# Altium PCB Roll_Min_R01.PcbDoc (part 1 of 2) (continued)
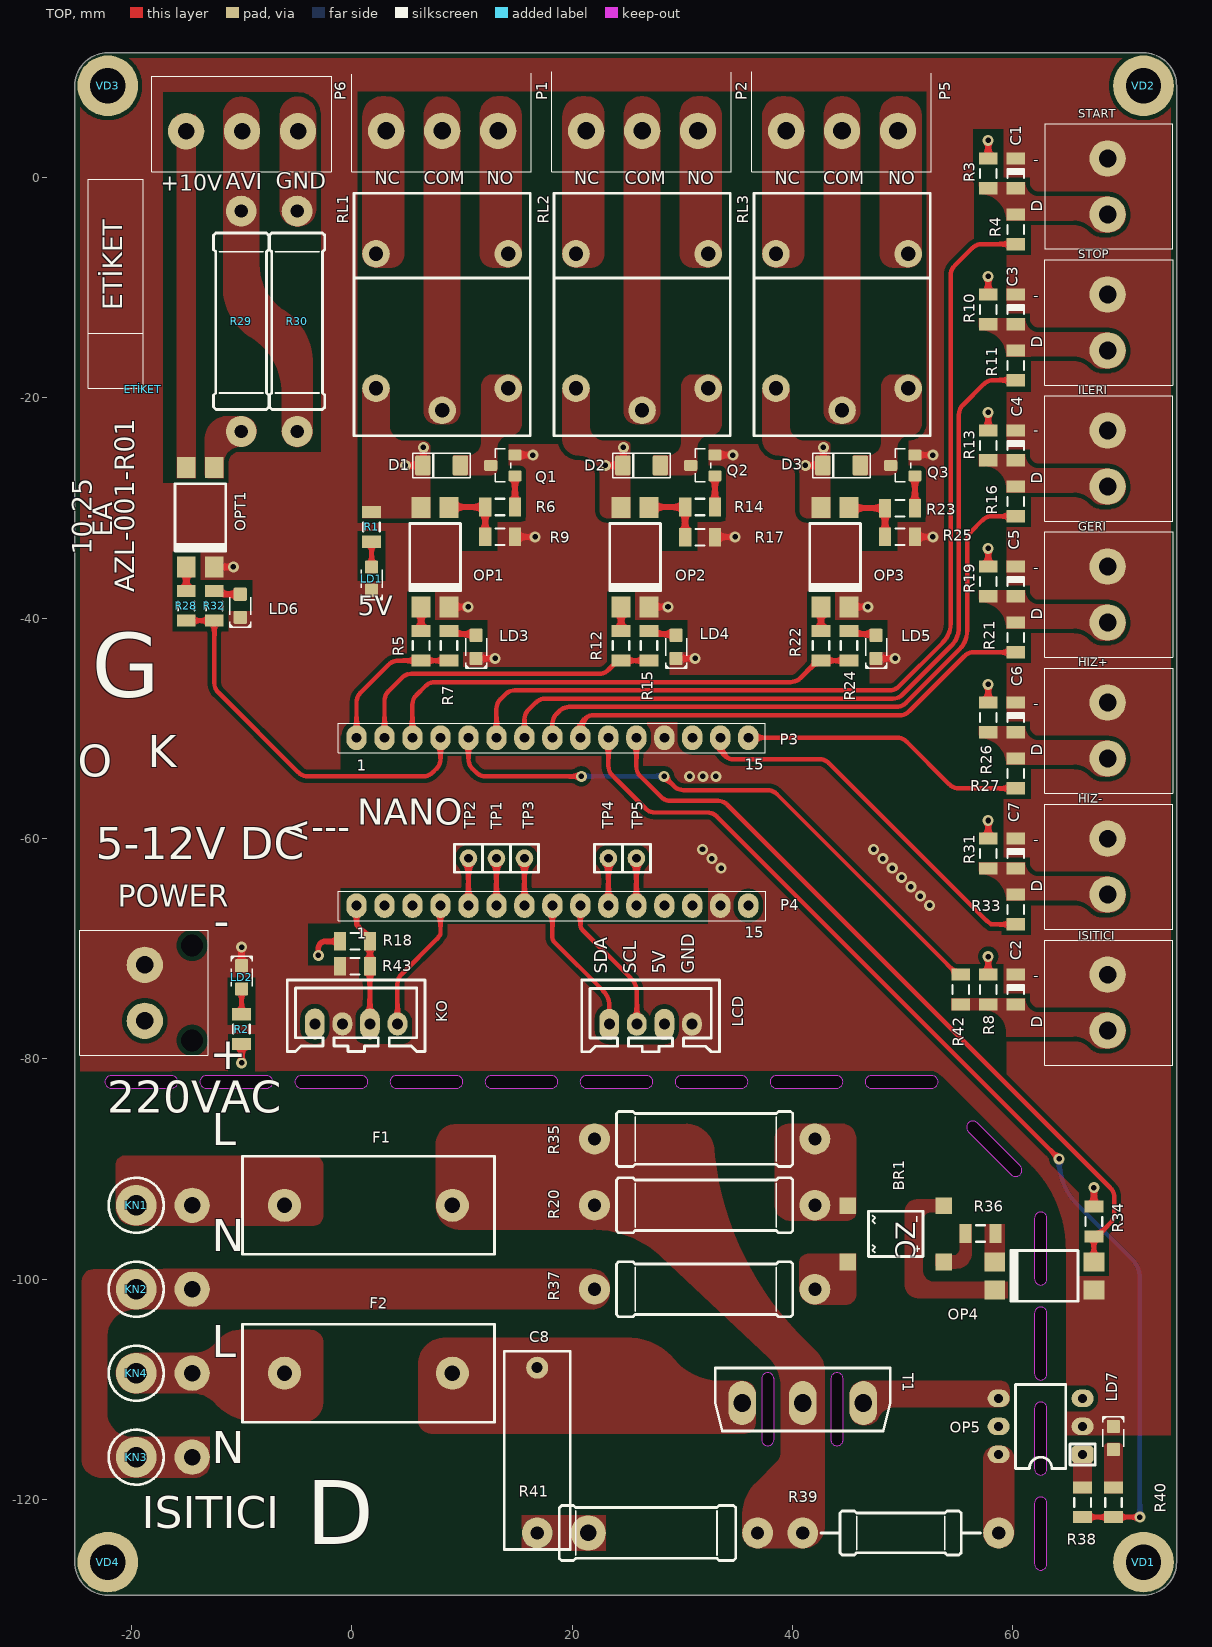
[diagram p0: TOP view]
## Nets (pads, with @x,y where several pads share a name; then routed paths per layer and width w, separated by ;. In a path a pad name is that pad's centre, name@x,y a point inside that pad or via, vN(x,y) a via of type N, cw(c..) or ccw(c..) an arc to the next point about the centre after c; other vN are vias at no path point)
+3v3: P4.2
+5v: D1.1 D2.1 D3.1 KO.1 LCD.3 OP1.4 OP2.4 OP3.4 P4.12 R1.2 R3.2 R8.2 R10.2 R13.2 R18.1 R19.2 R26.2 R31.2 R34.1 RL1.5 RL2.5 RL3.5 | length 26.3
  TOP w0.5: v1(-3.027,-70.6) -3.027,-69.997 cw(c-2.362,-69.997) -2.362,-69.331 R18.1@-1.044,-69.331 ; v1(4.87,-26.136) D1.1@6.51,-26.136 ; D1.1@6.51,-25.807 D1.1@6.51,-26.136 ; v1(6.51,-24.496) D1.1@6.51,-26.136 ; v1(23.02,-26.136) 24.66,-26.136 v1(24.66,-24.496) ; v1(41.17,-26.136) 42.81,-26.136 v1(42.81,-24.496) ; R8.2@57.774,-72.349 v1(57.774,-70.709) ; R31.2@57.774,-60.004 v1(57.774,-58.364) ; R26.2@57.774,-47.659 v1(57.774,-46.019) ; R19.2@57.774,-35.314 v1(57.774,-33.674) ; R13.2@57.774,-22.969 v1(57.774,-21.329) ; R10.2@57.774,-10.624 v1(57.774,-8.984) ; R3.2@57.774,1.721 v1(57.774,3.361) ; R34.1@67.367,-93.409 v1(67.367,-91.69)
GERI: P3.9 R21.2 | length 43.3
  TOP w0.4: P3.9@20.762,-50.852 20.762,-50.01 cw(c21.962,-50.01) 21.962,-48.81 49.748,-48.81 ccw(c49.748,-47.61) 50.596,-48.459 55.61,-43.445 cw(c56.458,-44.294) 56.458,-43.094 R21.2@60.274,-43.094
GND: C1.1 C2.1 C3.1 C4.1 C5.1 C6.1 C7.1 GERI.1 HIZ+.1 HIZ-.1 ILERI.1 ISITICI.1 KO.2 LCD.4 LD1.1 LD2.1 LD3.1 LD4.1 LD5.1 LD6.1 LD7.1 OP1.2 OP2.2 OP3.2 OP4.3 OP5.2 OPT1.2 P3.12 P4.14 POWER.2 Q1.2 Q2.2 Q3.2 R9.1 R17.1 R25.1 R43.2 START.1 STOP.1 | length 23.3
  TOP w0.5: OPT1.2@-12.461,-35.35 v1(-10.742,-35.35) ; LD2.1@-9.99,-71.573 v1(-9.99,-69.854) ; OP1.2@8.843,-38.975 v1(10.562,-38.975) ; LD3.1@11.296,-43.656 v1(13.015,-43.656) ; R9.1@14.813,-32.626 v1@16.453,-32.626 ; Q1.2@14.813,-25.194 v1(16.453,-25.194) ; OP2.2@26.993,-38.967 v1(28.712,-38.967) ; LD4.1@29.446,-43.656 v1(31.165,-43.656) ; R17.1@32.963,-32.626 v1@34.603,-32.626 ; Q2.2@32.963,-25.194 v1(34.603,-25.194) ; OP3.2@45.143,-38.967 v1(46.862,-38.967) ; LD5.1@47.596,-43.656 v1(49.315,-43.656) ; R25.1@51.113,-32.626 v1(52.753,-32.626) ; Q3.2@51.113,-25.194 v1@52.483,-25.194
  other v1: 52.459,-66.074 51.611,-65.225 50.762,-64.377 49.914,-63.528 33.54,-62.68 49.065,-62.68 32.692,-61.831 48.217,-61.831 31.843,-60.983 47.368,-60.983 30.667,-54.352 31.867,-54.352 33.067,-54.352 16.653,-32.626 34.803,-32.626 52.753,-25.194
HIZ+: P3.15 R27.2 | length 26.1
  TOP w0.4: P3.15@36.002,-50.852 49.515,-50.852 cw(c49.515,-52.052) 50.363,-51.203 54.248,-55.088 ccw(c55.096,-54.239) 55.096,-55.439 R27.2@60.274,-55.439
HIZ-: P3.14 R33.2 | length 34.4
  TOP w0.4: P3.14@33.462,-50.852 33.462,-51.607 ccw(c34.662,-51.607) 34.662,-52.807 42.47,-52.807 cw(c42.47,-54.007) 43.318,-53.158 57.593,-67.433 ccw(c58.441,-66.584) 57.699,-67.527 58.027,-67.784 R33.2@60.274,-67.784
ILERI: P3.8 R16.2 | length 56.7
  TOP w0.4: P3.8@18.222,-50.852 18.222,-49.567 cw(c19.422,-49.567) 18.573,-48.718 18.883,-48.409 cw(c19.731,-49.258) 19.731,-48.058 49.437,-48.058 ccw(c49.437,-46.858) 50.285,-47.707 55.165,-42.826 ccw(c53.467,-41.13) 55.867,-41.13 55.867,-32.994 cw(c57.067,-32.994) 56.218,-32.146 57.264,-31.1 cw(c58.112,-31.949) 58.112,-30.749 59.624,-30.749 R16.2@60.274,-30.749
IN_LINE: F1.1 R20.2 R35.2 R39.2 R41.2 T1.2
ISITICI: P3.10 R38.1 R40.2 | length 98.8
  TOP w0.4: P3.10@23.302,-50.852 23.302,-53.411 ccw(c24.502,-53.411) 23.652,-54.258 26.682,-57.288 ccw(c27.529,-56.438) 27.529,-57.638 32.279,-57.638 cw(c32.279,-58.838) 33.128,-57.991 64.217,-89.079 v1(64.217,-89.081) ; R38.1@66.342,-121.594 R40.2@69.142,-121.594 v1(71.542,-121.594)
  BOT w0.4: v1(64.217,-89.081) 64.217,-89.2 ccw(c69.966,-89.2) 65.901,-93.265 70.841,-98.206 cw(c69.138,-99.903) 71.542,-99.903 v1(71.542,-121.594)
ISITICI_ON/OFF: P3.5 R42.1 | length 54.8
  TOP w0.35: 38.583,-55.958 54.974,-72.349 R42.1@55.274,-72.349
  TOP w0.4: P3.5@10.602,-50.852 10.602,-52.805 ccw(c11.802,-52.805) 10.953,-53.654 11.301,-54.001 ccw(c12.149,-53.152) 12.149,-54.352 v1(20.842,-54.352) ; v1(28.361,-54.352) 29.264,-55.255 ccw(c30.112,-54.406) 30.112,-55.606 37.734,-55.606 cw(c37.734,-56.806) 38.583,-55.958
  BOT w0.4: v1(20.842,-54.352) v1(28.361,-54.352)
KO_A: KO.4 P4.4 | length 12.3
  TOP w0.4: KO.4@4.157,-76.827 4.157,-73.205 cw(c5.357,-73.205) 4.508,-72.357 7.711,-69.154 ccw(c6.862,-68.305) 7.842,-68.999 8.062,-68.687 P4.4@8.062,-66.092
KO_D: KO.3 P4.1 R18.2 R43.1 | length 11.2
  TOP w0.45: P4.1@0.442,-66.092 0.442,-67.827 1.656,-69.042 R18.2@1.656,-69.331 R43.1@1.656,-71.581 KO.3@1.657,-76.827
NetBR1_1: BR1.1 R20.1 R35.1
NetBR1_2: BR1.2 R37.1
NetBR1_3: BR1.3 R36.1
NetBR1_4: BR1.4 OP4.2
NetC1_2: C1.2 R3.1 R4.1 START.2
NetC2_2: C2.2 ISITICI.2 R8.1 R42.2
NetC3_2: C3.2 R10.1 R11.1 STOP.2
NetC4_2: C4.2 ILERI.2 R13.1 R16.1
NetC5_2: C5.2 GERI.2 R19.1 R21.1
NetC6_2: C6.2 HIZ+.2 R26.1 R27.1
NetC7_2: C7.2 HIZ-.2 R31.1 R33.1
NetC8_1: C8.1 F2.1 T1.1
NetC8_2: pad.2@21.467,-123.029 R41.1
NetD1_2: D1.2 Q1.3 RL1.2
NetD2_2: D2.2 Q2.3 RL2.2
NetD3_2: D3.2 Q3.3 RL3.2
NetF1_2: F1.2 KN1.1 pad.2@-14.478,-93.289
NetF2_2: F2.2 KN4.1 pad.2@-14.478,-108.529
NetLD1_2: LD1.2 R1.1 | length 2.3
  TOP w0.4: LD1.2@1.809,-35.368 R1.1@1.809,-33.068
NetLD2_2: LD2.2 R2.1 | length 2.3
  TOP w0.4: R2.1@-9.99,-75.933 LD2.2@-9.99,-73.633
NetLD3_2: LD3.2 R7.1 | length 2.5
  TOP w0.5: R7.1@8.843,-41.152 9.147,-41.456 LD3.2@11.196,-41.456
NetLD4_2: LD4.2 R15.1 | length 2
  TOP w0.5: R15.1@27.297,-41.456 LD4.2@29.346,-41.456
NetLD5_2: LD5.2 R24.1 | length 2.5
  TOP w0.5: R24.1@45.143,-41.152 45.447,-41.456 LD5.2@47.496,-41.456
NetLD6_2: LD6.2 R32.1 | length 2.5
  TOP w0.5: R32.1@-12.462,-37.527 -12.158,-37.831 LD6.2@-10.108,-37.831
NetLD7_2: LD7.2 R40.1
NetOP1_1: OP1.1 R5.2 | length 2.2
  TOP w0.5: R5.2@6.303,-41.152 OP1.1@6.303,-38.912
NetOP1_3: OP1.3 R6.1 R9.2 | length 5.7
  TOP w0.5: OP1.3@8.945,-29.918 R6.1@12.123,-29.918 R9.2@12.123,-32.418
NetOP2_1: OP2.1 R12.2 | length 4.5
  TOP w0.5: R12.2@24.453,-41.152 24.453,-38.912 R12.2@24.453,-41.152
NetOP2_3: OP2.3 R14.1 R17.2 | length 11.4
  TOP w0.5: R14.1@30.272,-29.918 30.272,-32.418 R14.1@30.272,-29.918 ; R14.1@30.272,-29.918 27.095,-29.918 R14.1@30.272,-29.918
NetOP3_1: OP3.1 R22.2 | length 2.2
  TOP w0.5: R22.2@42.603,-41.152 OP3.1@42.603,-38.912
NetOP3_3: OP3.3 R23.1 R25.2 | length 5.6
  TOP w0.5: OP3.3@45.245,-30.018 R23.1@48.423,-30.018 R25.2@48.423,-32.418
NetOP4_1: OP4.1 R36.2
NetOP5_1: OP5.1 R38.2
NetOP5_4: OP5.4 T1.3
NetOP5_6: OP5.6 R39.1
NetOPT1_1: OPT1.1 R28.2 | length 2.2
  TOP w0.5: OPT1.1@-15.002,-35.287 R28.2@-15.002,-37.527
NetOPT1_3: OPT1.3 R29.1
NetOPT1_4: OPT1.4 P6.1
NetP1_1: P1.1 RL1.4
NetP1_2: P1.2 RL1.1
NetP1_3: P1.3 RL1.3
NetP2_1: P2.1 RL2.4
NetP2_2: P2.2 RL2.1
NetP2_3: P2.3 RL2.3
NetP4_5: P4.5 TP2.1 | length 8.6
  TOP w0.45: P4.5@10.602,-66.092 TP2.1@10.602,-61.792
  BOT w0.45: P4.5@10.602,-66.092 TP2.1@10.602,-61.792
NetP4_6: P4.6 TP1.1 | length 8.6
  TOP w0.45: P4.6@13.142,-66.092 TP1.1@13.142,-61.792
  BOT w0.45: P4.6@13.142,-66.092 TP1.1@13.142,-61.792
NetP4_7: P4.7 TP3.1 | length 8.6
  TOP w0.45: P4.7@15.682,-66.092 TP3.1@15.682,-61.792
  BOT w0.45: P4.7@15.682,-66.092 TP3.1@15.682,-61.792
NetP4_10: P4.10 TP4.1 | length 8.6
  TOP w0.45: P4.10@23.302,-66.092 TP4.1@23.302,-61.792
  BOT w0.45: P4.10@23.302,-66.092 TP4.1@23.302,-61.792
NetP4_11: P4.11 TP5.1 | length 8.6
  TOP w0.45: P4.11@25.842,-66.092 TP5.1@25.842,-61.792
  BOT w0.45: P4.11@25.842,-66.092 TP5.1@25.842,-61.792
NetP5_1: P5.1 RL3.4
NetP5_2: P5.2 RL3.1
NetP5_3: P5.3 RL3.3
NetP6_2: P6.2 R29.2 R30.1
NetP6_3: P6.3 R30.2
NetQ1_1: Q1.1 R6.2 | length 2.8
  TOP w0.5: R6.2@14.823,-29.918 Q1.1@14.823,-27.086
NetQ2_1: Q2.1 R14.2 | length 5.7
  TOP w0.5: R14.2@32.972,-29.918 Q2.1@32.972,-27.086 R14.2@32.972,-29.918
NetQ3_1: Q3.1 R23.2 | length 2.8
  TOP w0.5: R23.2@51.123,-29.918 Q3.1@51.123,-27.086
NOTR: KN2.1 KN3.1 pad.2@-14.478,-100.909 pad.2@-14.478,-116.149 R37.2
ROLE_1: P3.1 R5.1 R7.2 | length 13.4
  TOP w0.4: P3.1@0.442,-50.852 0.442,-47.629 cw(c1.642,-47.629) 0.793,-46.781 3.371,-44.203 cw(c4.219,-45.052) 3.899,-43.896 4.056,-43.852 R5.1@6.303,-43.852 R7.2@8.843,-43.852
ROLE_2: P3.2 R12.1 R15.2 | length 29
  TOP w0.4: P3.2@2.982,-50.852 2.982,-47.489 cw(c4.182,-47.489) 3.335,-46.639 4.573,-45.401 cw(c5.422,-46.25) 5.422,-45.05 22.458,-45.05 ccw(c22.458,-43.85) 23.307,-44.698 23.803,-44.202 R12.1@24.453,-43.852 R15.2@26.993,-43.852
ROLE_3: P3.3 R22.1 R24.2 | length 44.4
  TOP w0.4: P3.3@5.512,-50.852 cw(c6.712,-50.848) 5.512,-50.848 5.512,-47.849 cw(c6.712,-47.849) 5.863,-47.001 6.712,-46.153 cw(c7.56,-47.002) 7.56,-45.802 39.856,-45.802 ccw(c39.856,-44.602) 40.704,-45.451 41.953,-44.202 R22.1@42.603,-43.852 43.253,-43.852 R24.2@45.143,-43.852
ROLL_PWM: P3.4 R28.1 R32.2 | length 35.2
  TOP w0.4: R28.1@-15.002,-40.227 -14.352,-40.227 R32.2@-12.462,-40.227 -12.462,-45.881 ccw(c-11.262,-45.881) -12.11,-46.73 -4.838,-54.002 ccw(c-3.991,-53.152) -3.991,-54.352 6.515,-54.352 ccw(c6.515,-53.152) 7.363,-54.001 7.711,-53.654 ccw(c6.862,-52.805) 8.062,-52.805 P3.4@8.062,-50.852
SCL: LCD.2 P4.9 | length 12.8
  TOP w0.4: P4.9@20.762,-66.092 20.762,-66.292 20.762,-67.864 ccw(c21.339,-67.864) 20.93,-68.27 25.348,-72.689 cw(c24.059,-73.978) 25.882,-73.978 25.882,-76.7 LCD.2@25.882,-76.85
SDA: LCD.1 P4.8 | length 12.8
  TOP w0.4: P4.8@18.222,-66.092 18.222,-68.982 ccw(c18.799,-68.982) 18.391,-69.39 22.85,-73.849 cw(c21.559,-75.136) 23.382,-75.136 LCD.1@23.382,-76.85
START: P3.6 R4.2 | length 86.6
  TOP w0.4: P3.6@13.142,-50.852 13.142,-48.22 cw(c14.342,-48.22) 13.493,-47.371 13.96,-46.905 cw(c14.808,-47.754) 14.808,-46.554 48.814,-46.554 ccw(c48.814,-45.354) 49.662,-46.203 53.661,-42.203 ccw(c51.963,-40.507) 54.363,-40.507 54.363,-8.867 cw(c55.563,-8.867) 54.714,-8.019 56.323,-6.41 cw(c57.171,-7.259) 57.171,-6.059 R4.2@60.274,-6.059
STOP: P3.7 R11.2 | length 71.1
  TOP w0.4: P3.7@15.682,-50.852 15.682,-49.18 cw(c16.882,-49.18) 16.033,-48.331 16.708,-47.657 cw(c17.556,-48.506) 17.556,-47.306 49.125,-47.306 ccw(c49.125,-46.106) 49.973,-46.955 54.413,-42.515 ccw(c52.715,-40.818) 55.115,-40.818 55.115,-21.512 cw(c56.315,-21.512) 55.466,-20.664 57.375,-18.755 cw(c58.223,-19.604) 58.223,-18.404 R11.2@60.274,-18.404
VIN: P4.15 POWER.1 R2.2 | length 1.7
  TOP w0.5: v1(-9.99,-80.352) R2.2@-9.99,-78.633
Zero_Cross: OP4.4 P3.11 R34.2 | length 68.8
  TOP w0.4: P3.11@25.842,-50.852 25.842,-53.487 ccw(c27.042,-53.487) 26.192,-54.334 28.089,-56.231 ccw(c28.936,-55.381) 28.936,-56.581 33.247,-56.581 cw(c33.247,-57.781) 34.094,-56.931 68.862,-91.7 cw(c68.012,-92.546) 69.212,-92.546 69.212,-94.049 cw(c68.012,-94.049) 68.861,-94.898 68,-95.759 R34.2@67.806,-95.953 ; OP4.4@67.367,-98.434 R34.2@67.367,-96.109
pads on no net: C8. OP5.3 OP5.5 P3.13 P4.3 P4.13 POWER.0 VD1.0 VD2.0 VD3.0 VD4.0

## Polygon pours and split planes (outlines as drawn)
GND on BOT "GND_L02_P3631" (solid, remove dead copper, pour order 3631): 74.867,-93.738 74.867,-128.68 64.836,-128.685 64.836,-97.966 ccw(c52.666,-97.966) 61.272,-89.361 53.907,-81.997 ccw(c51.809,-84.095) 51.809,-81.127 -25.133,-81.127 -25.133,8.319 cw(c-22.133,8.319) -22.133,11.319 71.867,11.319 cw(c71.867,8.319) 74.867,8.319 74.867,-82.081
NetP6_2 on BOT "NETP6_2_L02_P3624" (solid, remove dead copper, pour order 3624): -6.343,-19.54 -6.343,-23.078 ccw(c-4.952,-23.078) -4.952,-24.469 ccw(c-4.952,-23.061) -3.543,-23.061 -3.543,-16.776 ccw(c-9.121,-16.776) -6.131,-12.067 cw(c-3.543,-7.989) -8.373,-7.989 -8.373,5.657 ccw(c-10.047,5.657) -10.047,7.331 ccw(c-10.047,5.704) -11.673,5.704 -11.673,-9.991 ccw(c-6.345,-9.991) -9.141,-14.526 cw(c-12.233,-19.54)
NetP6_3 on BOT "NETP6_3_L02_P3610" (solid, remove dead copper, pour order 3610): -4.895,7.338 ccw(c-4.895,5.712) -6.521,5.712 -6.521,-2.812 ccw(c-4.871,-2.812) -4.871,-4.462 ccw(c-4.871,-2.812) -3.221,-2.812 -3.221,5.664 ccw(c-4.895,5.664)
IN_LINE on BOT "IN_LINE_L02_P3632" (solid, remove dead copper, pour order 3632): 42.942,-108.36 42.942,-122.436 cw(c40.944,-122.436) 40.944,-124.434 36.824,-124.434 cw(c36.824,-123.052) 35.442,-123.052 35.442,-121.497 cw(c39.737,-121.497) 36.7,-118.46 38.582,-116.579 ccw(c37.714,-115.709) 38.942,-115.708 38.942,-109.661 ccw(c35.487,-109.66) 37.855,-107.144 28.109,-97.966 ccw(c21.891,-104.568) 21.89,-95.499 9.801,-95.499 cw(c9.801,-93.341) 7.642,-93.34 7.644,-87.72 cw(c9.455,-87.721) 9.454,-85.91 30.361,-85.901 cw(c30.362,-88.451) 32.901,-88.22 ccw(c60.422,-85.713) 40.882,-105.254 42.203,-106.575 cw(c40.42,-108.359)
+5v on BOT "+5V_L02_P3630" (solid, remove dead copper, pour order 3630): -4.243,-76.827 -2.443,-76.827 -2.443,-71.99 cw(c-1.21,-71.99) -1.209,-70.756 26.654,-70.756 cw(c26.654,-71.584) 27.482,-71.584 27.482,-77.389 29.282,-77.389 29.282,-64.592 29.282,-60.583 cw(c30.668,-60.583) 30.668,-59.196 55.647,-59.196 cw(c55.647,-60.573) 57.024,-60.573 57.024,-80.055 ccw(c59.871,-80.055) 59.871,-82.902 65.417,-82.902 cw(c65.417,-84.197) 66.712,-84.197 66.712,-91.612 ccw(c67.29,-91.612) 67.29,-92.19 67.413,-92.19 ccw(c67.413,-91.591) 68.012,-91.591 68.012,-83.237 ccw(c66.177,-83.237) 66.177,-81.402 60.662,-81.402 cw(c60.662,-79.264) 58.524,-79.264 58.524,-60.541 cw(c59.868,-60.541) 59.868,-59.196 ccw(c59.868,-57.122) 61.943,-57.121 61.943,-34.924 61.943,-21.839 61.943,-20.822 61.943,-8.477 61.943,3.017 ccw(c61.093,3.017) 61.092,3.868 57.757,3.868 ccw(c57.756,3.397) 57.285,3.396 57.285,3.309 ccw(c57.743,3.309) 57.743,2.851 59.209,2.851 cw(c59.209,1.917) 60.143,1.917 60.143,-7.619 cw(c59.285,-7.62) 59.285,-8.477 57.757,-8.477 ccw(c57.756,-8.948) 57.285,-8.949 57.285,-9.036 ccw(c57.743,-9.036) 57.743,-9.494 59.305,-9.494 cw(c59.306,-10.331) 60.143,-10.331 60.143,-19.921 cw(c59.242,-19.922) 59.242,-20.822 57.757,-20.822 ccw(c57.756,-21.293) 57.285,-21.294 57.285,-21.381 57.285,-21.94 cw(c56.216,-21.94) 56.216,-23.009 40.495,-23.009 cw(c40.495,-21.925) 39.41,-21.925 39.41,-19.136 37.61,-19.136 37.61,-21.87 cw(c36.471,-21.87) 36.471,-23.009 21.871,-23.009 cw(c21.871,-22.398) 21.26,-22.398 21.26,-19.136 19.46,-19.136 19.46,-22.445 cw(c18.896,-22.445) 18.896,-23.009 4,-23.009 cw(c4,-22.119) 3.11,-22.119 3.11,-19.136 1.26,-19.136 1.26,-23.009 1.26,-23.497 ccw(c2.054,-23.497) 2.054,-24.291 3.849,-24.291 cw(c3.849,-24.806) 4.363,-24.806 4.363,-26.112 ccw(c4.875,-26.112) 4.875,-26.625 6.414,-26.625 ccw(c6.414,-26.024) 7.015,-26.024 7.015,-24.867 cw(c7.59,-24.867) 7.59,-24.291 21.713,-24.291 cw(c21.713,-25.091) 22.513,-25.091 22.513,-26.145 ccw(c22.992,-26.145) 22.992,-26.625 24.624,-26.625 ccw(c24.624,-26.082) 25.167,-26.082 25.167,-25.029 cw(c25.905,-25.029) 25.905,-24.291 39.887,-24.291 cw(c39.887,-25.067) 40.663,-25.068 40.663,-26.208 ccw(c41.08,-26.208) 41.08,-26.625 42.725,-26.625 ccw(c42.725,-26.034) 43.316,-26.034 43.316,-25.022 cw(c44.046,-25.022) 44.046,-24.291 58.722,-24.291 cw(c58.722,-25.712) 60.143,-25.712 60.143,-32.543 cw(c59.519,-32.543) 59.519,-33.167 57.757,-33.167 ccw(c57.756,-33.638) 57.285,-33.639 57.285,-33.726 ccw(c57.743,-33.726) 57.743,-34.184 59.544,-34.184 cw(c59.544,-34.783) 60.143,-34.783 60.143,-44.946 cw(c59.577,-44.946) 59.577,-45.512 57.757,-45.512 ccw(c57.756,-45.983) 57.285,-45.984 57.285,-46.071 ccw(c57.743,-46.071) 57.743,-46.529 59.589,-46.529 cw(c59.589,-47.083) 60.143,-47.083 60.143,-56.022 cw(c58.769,-56.022) 58.768,-57.396 30.168,-57.396 ccw(c30.168,-60.082) 27.482,-60.083 27.482,-62.682 27.482,-68.739 cw(c26.59,-68.74) 26.59,-69.631 -2.443,-69.631 -2.626,-69.631 ccw(c-2.627,-71.248) -4.243,-71.249
NetP1_1 on BOT "NETP1_1_L02_P3613" (solid, remove dead copper, pour order 3613): 3.106,7.375 2.871,7.375 ccw(c2.871,5.464) 0.96,5.464 0.96,-6.932 ccw(c2.214,-6.932) 2.214,-8.186 3.548,-8.186 ccw(c3.548,-6.954) 4.78,-6.954 4.78,5.701 ccw(c3.106,5.701)
NetC8_1 on BOT "NETC8_1_L02_P3627" (solid, remove dead copper, pour order 3627): 35.532,-109.234 33.609,-109.234 cw(c33.609,-103.462) 29.23,-107.222 ccw(c25.071,-110.793) 25.071,-105.311 8.423,-105.311 ccw(c8.423,-107.687) 6.047,-107.687 6.047,-112.78 ccw(c7.306,-112.78) 7.306,-114.039 35.599,-114.039 ccw(c35.599,-112.946) 36.692,-112.945 36.692,-110.394 ccw(c35.532,-110.394)
NetC8_2 on BOT "NETC8_2_L02_P3608" (solid, remove dead copper, pour order 3608): 23.06,-121.429 15.442,-121.429 15.442,-124.629 23.06,-124.629
NetBR1_2 on BOT "NETBR1_2_L02_P3607" (solid, remove dead copper, pour order 3607): 45.776,-97.684 45.776,-101.419 cw(c44.886,-101.419) 44.886,-102.309 42.047,-102.309 cw(c42.047,-100.904) 40.642,-100.904 40.642,-98.481 cw(c41.439,-98.481) 41.439,-97.684
VIN on BOT "VIN_L02_P3623" (solid, remove dead copper, pour order 3623): 35.077,-81.031 35.677,-81.031 ccw(c35.677,-79.781) 36.927,-79.781 36.927,-65.892 ccw(c36.002,-65.892) 36.002,-64.967 ccw(c36.002,-65.892) 35.077,-65.892 35.077,-78.633 cw(c33.928,-78.633) 33.928,-79.781 -16.208,-79.781 cw(c-16.208,-78.864) -17.126,-78.864 -17.126,-76.549 -20.426,-76.549 -20.426,-79.789 ccw(c-19.183,-79.789) -19.183,-81.031
NetBR1_1 on BOT "NETBR1_1_L02_P3619" (solid, remove dead copper, pour order 3619): 39.808,-94.689 44.994,-94.689 ccw(c44.994,-93.907) 45.776,-93.906 45.776,-87.013 ccw(c44.632,-87.013) 44.632,-85.869 39.586,-85.869 ccw(c39.586,-87.031) 38.423,-87.031 38.423,-93.304 ccw(c39.808,-93.304)
NOTR on BOT "NOTR_L02_P3628" (solid, remove dead copper, pour order 3628): -24.503,-100.235 -24.503,-116.287 ccw(c-22.791,-116.287) -22.791,-117.999 -14.133,-117.999 ccw(c-14.133,-116.746) -12.88,-116.746 -12.88,-114.299 -19.968,-114.299 cw(c-19.969,-112.065) -22.203,-112.064 -22.203,-105.239 cw(c-19.723,-105.238) -19.723,-102.759 21.78,-102.759 ccw(c21.78,-101.097) 23.442,-101.096 23.442,-100.721 ccw(c21.78,-100.721) 21.78,-99.059 -17.098,-99.059 -17.098,-99.074 -23.341,-99.074 ccw(c-23.341,-100.235)
NetF1_2 on BOT "NETF1_2_L02_P3626" (solid, remove dead copper, pour order 3626): -21.408,-89.616 -21.408,-93.466 ccw(c-19.734,-93.466) -19.734,-95.139 -3.478,-95.139 ccw(c-3.478,-94.258) -2.598,-94.258 -2.598,-89.648 ccw(c-3.468,-89.648) -3.468,-88.778 -20.569,-88.778 ccw(c-20.569,-89.616)
NetF2_2 on BOT "NETF2_2_L02_P3625" (solid, remove dead copper, pour order 3625): -21.408,-108.503 ccw(c-19.532,-108.503) -19.532,-110.379 -17.084,-110.379 -14.36,-110.379 cw(c-14.36,-112.973) -12.437,-111.231 ccw(c-8.508,-107.673) -8.508,-112.974 -4.355,-112.974 ccw(c-4.354,-111.217) -2.598,-111.217 -2.598,-106.066 ccw(c-4.08,-106.066) -4.08,-104.583 -9.937,-104.583 ccw(c-9.937,-107.62) -12.301,-105.713 cw(c-14.32,-104.084) -14.32,-106.679 -19.583,-106.679 ccw(c-19.583,-108.503)
NetOP5_4 on BOT "NETOP5_4_L02_P3611" (solid, remove dead copper, pour order 3611): 59.722,-110.025 59.722,-110.833 cw(c58.941,-110.833) 58.941,-111.614 49.312,-111.614 ccw(c49.312,-113.234) 47.85,-112.537 cw(c46.746,-112.011) 46.746,-113.234 46.411,-113.234 cw(c46.411,-112.015) 45.192,-112.015 45.192,-110.464 cw(c46.423,-110.464) 46.423,-109.234 58.931,-109.234 cw(c58.931,-110.025)
NetOP5_6 on BOT "NETOP5_6_L02_P3609" (solid, remove dead copper, pour order 3609): 57.322,-116.315 57.322,-123.029 ccw(c58.722,-123.029) 58.722,-124.429 ccw(c58.722,-123.029) 60.122,-123.029 60.122,-116.294 ccw(c58.922,-116.294) 58.922,-115.094 58.543,-115.094 ccw(c58.543,-116.315)
NetP5_2 on BOT "NETP5_2_L02_P3622" (solid, remove dead copper, pour order 3622): 44.516,7.375 cw(c44.516,5.731) 46.16,5.731 46.16,-21.33 cw(c45.104,-21.33) 45.104,-22.386 43.992,-22.386 cw(c43.992,-21.254) 42.86,-21.254 42.86,5.719 cw(c44.516,5.719)
NetP2_2 on BOT "NETP2_2_L02_P3621" (solid, remove dead copper, pour order 3621): 26.366,7.375 cw(c26.366,5.731) 28.01,5.731 28.01,-21.33 cw(c26.954,-21.33) 26.954,-22.386 25.842,-22.386 cw(c25.842,-21.254) 24.71,-21.254 24.71,5.719 cw(c26.366,5.719)
NetP1_2 on BOT "NETP1_2_L02_P3620" (solid, remove dead copper, pour order 3620): 8.216,7.375 cw(c8.216,5.731) 9.86,5.731 9.86,-21.33 cw(c8.804,-21.33) 8.804,-22.386 7.692,-22.386 cw(c7.692,-21.254) 6.56,-21.254 6.56,5.719 cw(c8.216,5.719)
NetP1_3 on BOT "NETP1_3_L02_P3618" (solid, remove dead copper, pour order 3618): 13.314,7.375 13.549,7.375 cw(c13.549,5.464) 15.46,5.464 15.46,-6.932 cw(c14.206,-6.932) 14.206,-8.186 12.872,-8.186 cw(c12.872,-6.954) 11.64,-6.954 11.64,5.701 cw(c13.314,5.701)
NetP5_3 on BOT "NETP5_3_L02_P3617" (solid, remove dead copper, pour order 3617): 49.614,7.375 49.849,7.375 cw(c49.849,5.464) 51.76,5.464 51.76,-6.932 cw(c50.506,-6.932) 50.506,-8.186 49.172,-8.186 cw(c49.172,-6.954) 47.94,-6.954 47.94,5.701 cw(c49.614,5.701)
NetP2_3 on BOT "NETP2_3_L02_P3616" (solid, remove dead copper, pour order 3616): 31.464,7.375 31.699,7.375 cw(c31.699,5.464) 33.61,5.464 33.61,-6.932 cw(c32.356,-6.932) 32.356,-8.186 31.022,-8.186 cw(c31.022,-6.954) 29.79,-6.954 29.79,5.701 cw(c31.464,5.701)
NetP2_1 on BOT "NETP2_1_L02_P3615" (solid, remove dead copper, pour order 3615): 21.256,7.375 21.021,7.375 ccw(c21.021,5.464) 19.11,5.464 19.11,-6.932 ccw(c20.364,-6.932) 20.364,-8.186 21.698,-8.186 ccw(c21.698,-6.954) 22.93,-6.954 22.93,5.701 ccw(c21.256,5.701)
NetP5_1 on BOT "NETP5_1_L02_P3614" (solid, remove dead copper, pour order 3614): 39.406,7.375 39.171,7.375 ccw(c39.171,5.464) 37.26,5.464 37.26,-6.932 ccw(c38.514,-6.932) 38.514,-8.186 39.848,-8.186 ccw(c39.848,-6.954) 41.08,-6.954 41.08,5.701 ccw(c39.406,5.701)
NetP1_1 on BOT "NETP1_1_L02_P3612" (solid, remove dead copper, pour order 3612): 3.106,7.375 2.871,7.375 ccw(c2.871,5.464) 0.96,5.464 0.96,-6.932 ccw(c2.214,-6.932) 2.214,-8.186 3.548,-8.186 ccw(c3.548,-6.954) 4.78,-6.954 4.78,5.701 ccw(c3.106,5.701)
GND on TOP "tga" (solid, remove dead copper, pour order 3606): 74.867,-93.738 74.867,-128.68 64.836,-128.685 64.836,-97.264 ccw(c54.103,-97.264) 61.692,-89.675 53.75,-81.732 ccw(c52.289,-83.193) 52.289,-81.127 -25.133,-81.127 -25.133,8.319 cw(c-22.133,8.319) -22.133,11.319 71.867,11.319 cw(c71.867,8.319) 74.867,8.319 74.867,-82.081
NetD3_2 on TOP "NETD3_2_L01_P3573" (solid, remove dead copper, pour order 3573): 45.51,-25.236 46.836,-25.236 ccw(c46.836,-24.012) 48.06,-24.012 48.06,-18.943 cw(c49.117,-18.943) 49.117,-17.886 50.632,-17.886 cw(c50.632,-18.997) 51.743,-18.997 51.743,-22.327 cw(c50.634,-22.327) 50.634,-23.436 ccw(c50.634,-24.548) 49.523,-24.548 49.523,-26.51 cw(c48.996,-26.51) 48.996,-27.036 45.51,-27.036 45.51,-26.562
NetD1_2 on TOP "NETD1_2_L01_P3574" (solid, remove dead copper, pour order 3574): 9.21,-25.236 10.536,-25.236 ccw(c10.536,-24.012) 11.76,-24.012 11.76,-18.943 cw(c12.817,-18.943) 12.817,-17.886 14.332,-17.886 cw(c14.332,-18.997) 15.443,-18.997 15.443,-22.327 cw(c14.334,-22.327) 14.334,-23.436 ccw(c14.334,-24.548) 13.223,-24.548 13.223,-26.51 cw(c12.696,-26.51) 12.696,-27.036 9.21,-27.036 9.21,-26.562
NetC2_2 on TOP "NETC2_2_L01_P3581" (solid, remove dead copper, pour order 3581): 54.424,-74.499 61.124,-74.499 ccw(c62.406,-74.499) 62.406,-75.781 68.522,-75.781 cw(c68.522,-77.52) 70.261,-77.52 cw(c68.703,-77.52) 68.703,-79.077 68.062,-79.077 cw(c68.062,-77.979) 67.27,-78.741 ccw(c65.482,-80.461) 65.481,-77.979 59.424,-77.979 59.424,-77.583 ccw(c57.44,-77.583) 57.44,-75.599 54.424,-75.599
NetC4_2 on TOP "NETC4_2_L01_P3580" (solid, remove dead copper, pour order 3580): 56.924,-25.119 61.124,-25.119 ccw(c62.406,-25.119) 62.406,-26.401 68.522,-26.401 cw(c68.522,-28.14) 70.261,-28.14 cw(c68.703,-28.14) 68.703,-29.697 68.062,-29.697 cw(c68.062,-28.599) 67.27,-29.361 ccw(c65.482,-31.081) 65.481,-28.599 59.424,-28.599 59.424,-28.203 ccw(c57.44,-28.203) 57.44,-26.219 56.924,-26.219
NetC6_2 on TOP "NETC6_2_L01_P3579" (solid, remove dead copper, pour order 3579): 56.924,-49.809 61.124,-49.809 ccw(c62.406,-49.809) 62.406,-51.091 68.522,-51.091 cw(c68.522,-52.83) 70.261,-52.83 cw(c68.703,-52.83) 68.703,-54.387 68.062,-54.387 cw(c68.062,-53.289) 67.27,-54.051 ccw(c65.482,-55.771) 65.481,-53.289 59.424,-53.289 ccw(c57.044,-53.289) 57.044,-50.909 56.924,-50.909
NetC1_2 on TOP "NETC1_2_L01_P3578" (solid, remove dead copper, pour order 3578): 56.924,-0.429 61.124,-0.429 ccw(c62.406,-0.429) 62.406,-1.711 68.522,-1.711 cw(c68.522,-3.45) 70.261,-3.45 cw(c68.703,-3.45) 68.703,-5.007 68.062,-5.007 cw(c68.062,-3.909) 67.27,-4.671 ccw(c65.482,-6.391) 65.481,-3.909 59.424,-3.909 ccw(c57.044,-3.909) 57.044,-1.529 56.924,-1.529
NetC7_2 on TOP "NETC7_2_L01_P3577" (solid, remove dead copper, pour order 3577): 56.924,-62.154 61.124,-62.154 ccw(c62.406,-62.154) 62.406,-63.436 68.522,-63.436 cw(c68.522,-65.175) 70.261,-65.175 cw(c68.703,-65.175) 68.703,-66.732 68.062,-66.732 cw(c68.062,-65.634) 67.27,-66.396 ccw(c65.482,-68.116) 65.481,-65.634 59.424,-65.634 ccw(c57.044,-65.634) 57.044,-63.254 56.924,-63.254
NetC5_2 on TOP "NETC5_2_L01_P3576" (solid, remove dead copper, pour order 3576): 56.924,-37.464 61.124,-37.464 ccw(c62.406,-37.464) 62.406,-38.746 68.522,-38.746 cw(c68.522,-40.485) 70.261,-40.485 cw(c68.703,-40.485) 68.703,-42.042 68.062,-42.042 cw(c68.062,-40.944) 67.27,-41.706 ccw(c65.482,-43.426) 65.481,-40.944 59.424,-40.944 ccw(c57.044,-40.944) 57.044,-38.564 56.924,-38.564
NetC3_2 on TOP "NETC3_2_L01_P3575" (solid, remove dead copper, pour order 3575): 56.924,-12.774 61.124,-12.774 ccw(c62.406,-12.774) 62.406,-14.056 68.522,-14.056 cw(c68.522,-15.795) 70.261,-15.795 cw(c68.703,-15.795) 68.703,-17.352 68.062,-17.352 cw(c68.062,-16.254) 67.27,-17.016 ccw(c65.482,-18.736) 65.481,-16.254 59.424,-16.254 ccw(c57.044,-16.254) 57.044,-13.874 56.924,-13.874
GND on TOP "GND_L01_P3560" (solid, remove dead copper, pour order 3560): 68.671,-72.899 68.671,-71.799 59.424,-71.799 59.424,-72.899
NetP2_2 on TOP "NETP2_2_L01_P3597" (solid, remove dead copper, pour order 3597): 26.366,7.375 cw(c26.366,5.731) 28.01,5.731 28.01,-21.33 cw(c26.954,-21.33) 26.954,-22.386 25.842,-22.386 cw(c25.842,-21.254) 24.71,-21.254 24.71,5.719 cw(c26.366,5.719)
NetP2_3 on TOP "NETP2_3_L01_P3592" (solid, remove dead copper, pour order 3592): 31.464,7.375 31.699,7.375 cw(c31.699,5.464) 33.61,5.464 33.61,-6.932 cw(c32.356,-6.932) 32.356,-8.186 31.022,-8.186 cw(c31.022,-6.954) 29.79,-6.954 29.79,5.701 cw(c31.464,5.701)
NetP2_1 on TOP "NETP2_1_L01_P3591" (solid, remove dead copper, pour order 3591): 21.256,7.375 21.021,7.375 ccw(c21.021,5.464) 19.11,5.464 19.11,-6.932 ccw(c20.364,-6.932) 20.364,-8.186 21.698,-8.186 ccw(c21.698,-6.954) 22.93,-6.954 22.93,5.701 ccw(c21.256,5.701)
+5v on TOP "TOP-+5v" (solid, remove dead copper, pour order 3587): 5.038,-30.918 ccw(c5.041,-30.25) 5.041,-30.918 7.155,-30.918 7.155,-24.515 ccw(c6.549,-24.515) 6.549,-23.909 4.84,-23.909 cw(c4.845,-22.525) 3.46,-22.525 3.46,-19.136 0.96,-19.136 0.96,-23.725 ccw(c2.471,-23.725) 0.971,-23.909 0.959,-23.909 0.959,-30.918
+5v on TOP "TOP-+5v 1" (solid, remove dead copper, pour order 3583): 41.341,-30.918 43.455,-30.918 43.455,-24.32 ccw(c43.044,-24.32) 43.044,-23.909 41.145,-23.909 cw(c41.145,-22.525) 39.76,-22.525 39.76,-19.136 37.26,-19.136 37.26,-23.725 ccw(c38.771,-23.725) 38.771,-25.236 cw(c38.771,-27.139) 40.675,-27.139 40.675,-30.252 ccw(c41.341,-30.252)
+5v on TOP "TOP-+5v 2" (solid, remove dead copper, pour order 3582): 23.191,-30.918 25.305,-30.918 25.305,-24.32 ccw(c24.894,-24.32) 24.894,-23.909 22.995,-23.909 cw(c22.995,-22.525) 21.61,-22.525 21.61,-19.136 19.11,-19.136 19.11,-23.725 ccw(c20.621,-23.725) 20.621,-25.236 cw(c20.621,-27.139) 22.525,-27.139 22.525,-30.252 ccw(c23.191,-30.252)
NetP6_2 on TOP "NETP6_2_L01_P3600" (solid, remove dead copper, pour order 3600): -6.343,-19.54 -6.343,-23.078 ccw(c-4.952,-23.078) -4.952,-24.469 ccw(c-4.952,-23.061) -3.543,-23.061 -3.543,-16.776 ccw(c-9.121,-16.776) -6.131,-12.067 cw(c-3.543,-7.989) -8.373,-7.989 -8.373,5.657 ccw(c-10.047,5.657) -10.047,7.331 ccw(c-10.047,5.704) -11.673,5.704 -11.673,-9.991 ccw(c-6.345,-9.991) -9.141,-14.526 cw(c-12.233,-19.54)
NetP5_2 on TOP "NETP5_2_L01_P3598" (solid, remove dead copper, pour order 3598): 44.516,7.375 cw(c44.516,5.731) 46.16,5.731 46.16,-21.33 cw(c45.104,-21.33) 45.104,-22.386 43.992,-22.386 cw(c43.992,-21.254) 42.86,-21.254 42.86,5.719 cw(c44.516,5.719)
NetP1_2 on TOP "NETP1_2_L01_P3596" (solid, remove dead copper, pour order 3596): 8.216,7.375 cw(c8.216,5.731) 9.86,5.731 9.86,-21.33 cw(c8.804,-21.33) 8.804,-22.386 7.692,-22.386 cw(c7.692,-21.254) 6.56,-21.254 6.56,5.719 cw(c8.216,5.719)
NetP1_3 on TOP "NETP1_3_L01_P3594" (solid, remove dead copper, pour order 3594): 13.314,7.375 13.549,7.375 cw(c13.549,5.464) 15.46,5.464 15.46,-6.932 cw(c14.206,-6.932) 14.206,-8.186 12.872,-8.186 cw(c12.872,-6.954) 11.64,-6.954 11.64,5.701 cw(c13.314,5.701)
NetP5_3 on TOP "NETP5_3_L01_P3593" (solid, remove dead copper, pour order 3593): 49.614,7.375 49.849,7.375 cw(c49.849,5.464) 51.76,5.464 51.76,-6.932 cw(c50.506,-6.932) 50.506,-8.186 49.172,-8.186 cw(c49.172,-6.954) 47.94,-6.954 47.94,5.701 cw(c49.614,5.701)
NetP5_1 on TOP "NETP5_1_L01_P3590" (solid, remove dead copper, pour order 3590): 39.406,7.375 39.171,7.375 ccw(c39.171,5.464) 37.26,5.464 37.26,-6.932 ccw(c38.514,-6.932) 38.514,-8.186 39.848,-8.186 ccw(c39.848,-6.954) 41.08,-6.954 41.08,5.701 ccw(c39.406,5.701)
NetP1_1 on TOP "NETP1_1_L01_P3589" (solid, remove dead copper, pour order 3589): 3.106,7.375 2.871,7.375 ccw(c2.871,5.464) 0.96,5.464 0.96,-6.932 ccw(c2.214,-6.932) 2.214,-8.186 3.548,-8.186 ccw(c3.548,-6.954) 4.78,-6.954 4.78,5.701 ccw(c3.106,5.701)
GND on TOP "GND_L01_P3564" (solid, remove dead copper, pour order 3564): 68.671,-35.864 68.671,-34.764 59.424,-34.764 59.424,-35.864
NetP6_3 on TOP "NETP6_3_L01_P3585" (solid, remove dead copper, pour order 3585): -4.895,7.338 ccw(c-4.895,5.712) -6.521,5.712 -6.521,-2.812 ccw(c-4.871,-2.812) -4.871,-4.462 ccw(c-4.871,-2.812) -3.221,-2.812 -3.221,5.664 ccw(c-4.895,5.664)
NetOPT1_4 on TOP "NETOPT1_4_L01_P3588" (solid, remove dead copper, pour order 3588): -15.852,-27.292 -14.152,-27.292 -14.152,5.693 -15.852,5.693
NetOPT1_3 on TOP "NETOPT1_3_L01_P3567" (solid, remove dead copper, pour order 3567): -11.229,-21.657 -9.94,-21.657 cw(c-9.94,-22.971) -8.627,-22.971 cw(c-10.113,-22.971) -10.113,-24.457 ccw(c-10.113,-25.956) -11.612,-25.956 -11.612,-27.292 -13.312,-27.292 -13.312,-23.74 cw(c-11.229,-23.74)
NetD2_2 on TOP "NETD2_2_L01_P3572" (solid, remove dead copper, pour order 3572): 27.36,-25.236 28.686,-25.236 ccw(c28.686,-24.012) 29.91,-24.012 29.91,-18.943 cw(c30.967,-18.943) 30.967,-17.886 32.482,-17.886 cw(c32.482,-18.997) 33.593,-18.997 33.593,-22.327 cw(c32.484,-22.327) 32.484,-23.436 ccw(c32.484,-24.548) 31.373,-24.548 31.373,-26.51 cw(c30.846,-26.51) 30.846,-27.036 27.36,-27.036 27.36,-26.562
IN_LINE on TOP "IN_LINE_L01_P3605" (solid, remove dead copper, pour order 3605): 42.942,-108.36 42.942,-122.436 cw(c40.944,-122.436) 40.944,-124.434 36.824,-124.434 cw(c36.824,-123.052) 35.442,-123.052 35.442,-121.497 cw(c39.737,-121.497) 36.7,-118.46 38.582,-116.579 ccw(c37.714,-115.709) 38.942,-115.708 38.942,-109.661 ccw(c35.487,-109.66) 37.855,-107.144 28.109,-97.966 ccw(c21.891,-104.568) 21.89,-95.499 9.801,-95.499 cw(c9.801,-93.341) 7.642,-93.34 7.644,-87.72 cw(c9.455,-87.721) 9.454,-85.91 30.361,-85.901 cw(c30.362,-88.451) 32.901,-88.22 ccw(c60.422,-85.713) 40.882,-105.254 42.203,-106.575 cw(c40.42,-108.359)
GND on TOP "GND_L01_P3562" (solid, remove dead copper, pour order 3562): 68.671,1.171 68.671,2.271 59.424,2.271 59.424,1.171
GND on TOP "GND_L01_P3566" (solid, remove dead copper, pour order 3566): 68.671,-11.174 68.671,-10.074 59.424,-10.074 59.424,-11.174
GND on TOP "GND_L01_P3561" (solid, remove dead copper, pour order 3561): 68.671,-23.519 68.671,-22.419 59.424,-22.419 59.424,-23.519